# Allegro board KIT_PSE84_AI_PSOC_Edge_E84_AI_Board_Layout.brd (continued)
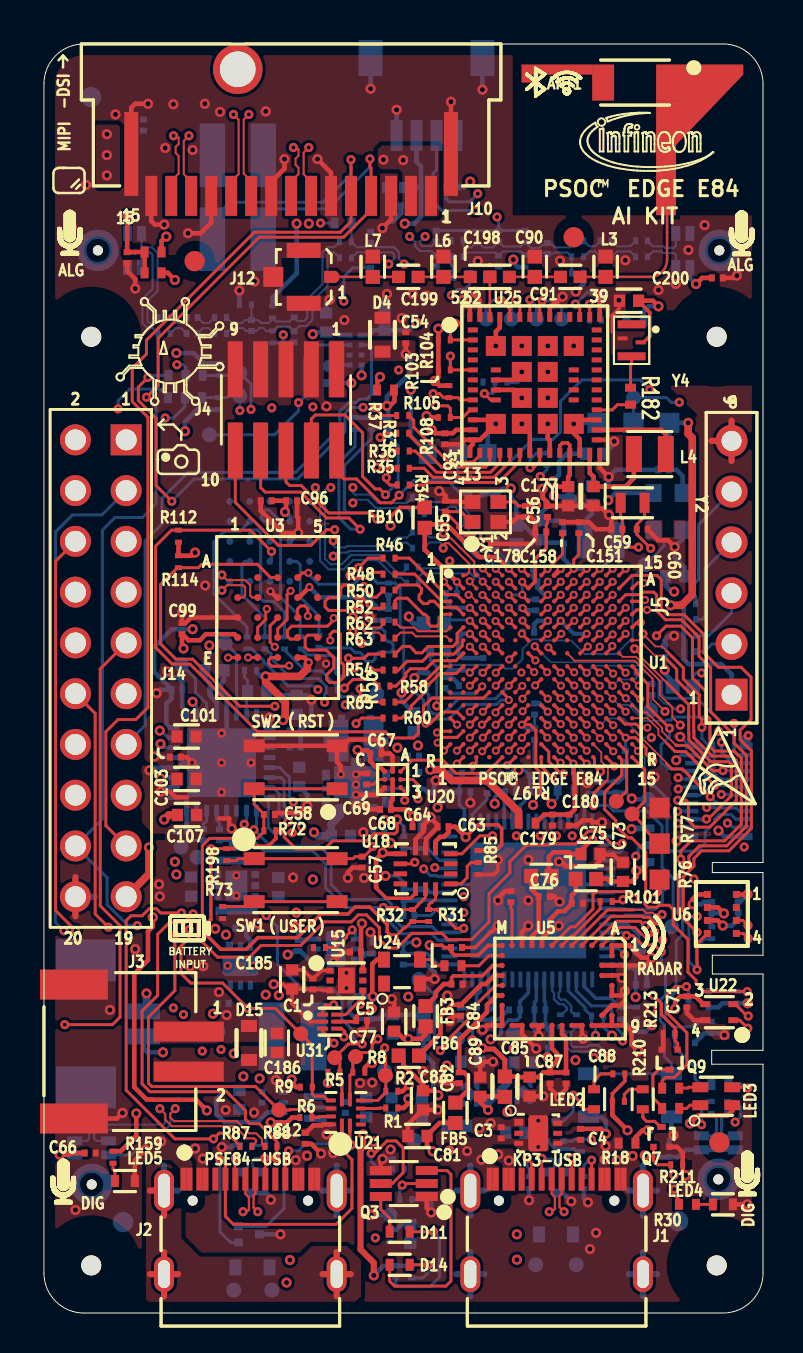
[diagram p0: board, top side]
## Routing (per net, layer and track width the routed paths; a pad name or vN(x,y) marks a point on that pad's centre or on a via; arc(x,y) is an arc through that point) (continued)
RF_OUT: length 2
  TOP w0.127: C198.1 U25.50
ROSC_IN_80MHZ: length 2.2
  TOP w0.15: U5.M2 22.28,17.89 21.77,17.37 R102.2
RSPI_CLK: length 18.4
  TOP w0.089: U1.L7 24.24,30.39 v1(23.96,30.11)
  TOP w0.102: 29.9,18.97 30.08,18.79 30.3,18.79 v2(30.57,19.06)
  TOP w0.15: 29.9,18.97 29.58,19.29 28.83,19.29 U5.B1
  L03_SIG1 w0.089: v2(24.84,23.88) 24.84,25.57 24.52,25.89 24.52,28.46 24.29,28.7 24.29,29.78 v1(23.96,30.11)
  L05_PWR w0.102: v2(24.84,23.88) 25.78,22.94 25.93,22.94 26.14,22.73 26.14,22.58 28.95,19.77 30.27,19.77 30.49,19.55 30.49,19.55 30.57,19.47 v2(30.57,19.06)
RSPI_CS: length 27.1
  TOP w0.089: U1.C3 21.33,35.92 21.31,35.92 21.29,35.94 v1(21.26,35.94)
  TOP w0.15: v2(29.54,20.75) 29.54,20.77 29.23,21.08 27.63,21.08 27.48,20.93 27.48,20.22 26.59,19.33 26.37,19.33 U5.G1
  L03_SIG1 w0.089: 24.94,26.96 24.93,26.96 24.93,28.58 24.87,28.63 24.87,30.31 24.64,30.54 24.64,30.95 24.99,31.31 24.99,31.79 24.86,31.92 24.86,32.21 24.96,32.3 24.96,32.77 24.69,33.04 24.43,33.04 23.81,33.66 22.48,33.66 22.29,33.85 22.29,34.12 22.1,34.31 21.82,34.31 21.64,34.49 21.64,34.77 21.45,34.96 21.18,34.96 20.99,35.15 20.99,35.67 v1(21.26,35.94)
  L03_SIG1 w0.102: v2(26.44,23.88) 26.17,24.15 26.17,25.54 25.68,26.04 25.18,26.04 24.94,26.28 24.94,26.68 24.94,26.96
  L05_PWR w0.102: v2(26.44,23.88) 29.27,21.05 29.27,21.02 v2(29.54,20.75)
RSPI_IRQ: length 15.9
  TOP w0.089: v1(27.83,28.75) 27.83,28.78 U1.N12
  TOP w0.15: v2(30.11,19.39) 30.05,19.39 29.85,19.6 28.64,19.6 U5.C1
  L03_SIG1 w0.089: v1(27.83,28.75) 27.83,28.5 28.16,28.17 28.16,27.96 28.37,27.75 28.99,27.75 29.9,26.83 29.9,26.59
  L03_SIG1 w0.157: 29.9,26.59 30.53,25.97 30.53,23.88 30.74,23.67 30.74,21.69 31.3,21.13 31.3,19.79 31.09,19.58 30.3,19.58 30.11,19.39 v2(30.11,19.39)
RSPI_MISO: length 21.2
  TOP w0.089: v1(23.94,31.37) 23.91,31.37 U1.K6
  TOP w0.102: v2(30.94,19.94) 30.56,19.94 30.47,20.03 30.13,20.03 29.99,20.17 29.51,20.17
  TOP w0.15: U5.E1 28.21,20.17 29.51,20.17
  L03_SIG1 w0.089: v1(23.94,31.37) 24.28,31.03 24.28,30.31 24.48,30.11 24.48,28.77 24.71,28.54 24.71,25.99 25.03,25.67 25.03,24.5 v2(25.66,23.88)
  L05_PWR w0.089: v2(25.66,23.88) 25.92,23.61 25.92,23.6 26.06,23.46 26.06,23.09
  L05_PWR w0.102: 26.06,23.09 28.94,20.21 30.67,20.21 v2(30.94,19.94)
RSPI_MOSI: length 45
  TOP w0.089: U1.C5 v1(22.62,35.94)
  TOP w0.15: U5.D1 28.39,19.85 29.95,19.85 30.01,19.8 30.28,19.8 30.61,19.47 30.89,19.47 31.05,19.31 31.05,19.14 30.98,19.06 v2(30.98,18.66)
  L03_SIG1 w0.089: v1(23.9,32.05) 23.9,33.1 23.6,33.41 23.15,33.41 22.75,33.01 22.48,33.01 22.29,33.2 22.29,33.47 22.1,33.66 21.84,33.66 21.64,33.85 21.64,34.12 21.45,34.31 20.68,34.31 19.13,35.85 19.13,37.61 19.43,37.91 20.08,37.91 20.16,37.99 20.76,37.99 21.83,36.92 22.1,36.92 22.29,36.73 22.29,36.45 22.62,36.13 v1(22.62,35.94)
  L04_SIG2 w0.089: 24.13,26.59 24.39,26.85 24.39,27.77 24.45,27.83 24.45,30.99 24.26,31.18 24.26,31.63 24.15,31.75 24.15,31.8 v1(23.9,32.05)
  L04_SIG2 w0.157: v2(21.02,20.04) 21.02,20.25 20.61,20.66 20.61,21 20.85,21.24 21.02,21.24 22.34,22.56 22.34,22.96 23.02,23.64 23.02,24.07 23.47,24.52 23.47,25.93 24.13,26.59
  L05_PWR w0.178: v2(21.02,20.04) 27.15,20.04 28.76,18.43 30.75,18.43 v2(30.98,18.66)
RXRES_L: length 9
  TOP w0.15: v2(28.98,20.68) 28.9,20.59 R101.1 ; U1.R12 27.56,27.75 27.56,27.38 27.84,27.1 v2(27.86,27.1)
  L03_SIG1 w0.102: v2(27.86,27.1) 28.21,26.76 28.21,26.3 29.35,25.16 29.35,24.8 29.77,24.38 29.77,24.03 29.41,23.67 29.41,23.24
  L03_SIG1 w0.157: 29.41,23.24 28.98,22.82 v2(28.98,20.68)
SERIAL_INT0: length 21.1
  TOP w0.15: U1.L14 v1(29.12,30.09)
  L04_SIG2 w0.089: 31.17,30.46 30.89,30.46 30.52,30.09 v1(29.12,30.09)
  L04_SIG2 w0.157: J5.5 32.91,39.59 32.91,32.99 32.25,32.34 32.25,31.54 31.17,30.46
  BOTTOM w0.15: R192.1 32.62,35.84 32.53,35.93 32.53,36.47 32.77,36.71 32.77,39.45 J5.5
SERIAL_INT1: length 18.9
  TOP w0.15: U1.M13 v1(28.49,29.41)
  L04_SIG2 w0.089: v1(28.49,29.41) 29.46,29.41
  L04_SIG2 w0.157: J5.4 33.17,37.31 33.17,32.89 32.51,32.23 32.51,29.93 32.35,29.77 31.37,29.77 31.26,29.66 30.05,29.66 29.8,29.41 29.46,29.41
  BOTTOM w0.15: R193.1 32.92,34.69 33.1,34.86 33.1,37.24 J5.4
SERIAL_INT2: length 15.6
  TOP w0.15: v1(30.2,29.29) 29.82,29.29 29.64,29.47 29.09,29.47 U1.M14
  L04_SIG2 w0.089: v1(30.2,29.29) 30.78,29.29 31.17,28.9
  L04_SIG2 w0.157: 31.17,28.9 31.62,28.45 32.01,28.45 32.41,28.85 32.41,29.39 32.89,29.87 32.89,31.49 33.43,32.02 33.43,35.03 J5.3
  BOTTOM w0.15: R194.1 33.27,33.89 34.42,35.04 J5.3
SERIAL_INT3: length 14
  TOP w0.15: U1.N13 28.47,28.79 v1(28.49,28.79)
  L04_SIG2 w0.089: v1(28.49,28.79) 28.83,28.45 29.91,28.45 30.24,28.12 31.17,28.12
  L04_SIG2 w0.157: 31.17,28.12 32.26,28.12 33.29,29.15 33.29,29.33 33.85,29.89 34.7,29.89 35.36,30.55 35.36,32.54 J5.2
  BOTTOM w0.15: J5.2 33.44,33.48 33.05,33.09 R195.1
SMIF0_CLKP: length 4.5
  BOTTOM w0.15: U4.B2 12.66,37.61 12.83,37.44 12.83,35.82 13.77,34.88 R61.1
SMIF0_CS: length 32.3
  TOP w0.15: U1.K4 22,30.77 19.43,30.77 19,30.34 19,29.9 18.74,29.64 18.74,29 18.51,28.77 17.4,28.77 17.09,29.08 10.69,29.08 7.31,32.46 6.5,32.46 6.48,32.49 6.4,32.49 5.59,33.3 5.59,38.38 6.38,39.17 R112.1 10.33,39.17 v2(11.39,38.11)
  BOTTOM w0.15: U4.C2 11.39,37.69 v2(11.39,38.11)
SMIF0_DATA0: length 7.1
  BOTTOM w0.15: U4.D3 10.3,39.03 10.45,39.18 10.7,39.18 10.85,39.03 10.85,35.76 11,35.61 11.51,35.61 12.04,35.08 R45.1
SMIF0_DATA1: length 4.6
  BOTTOM w0.15: R47.1 11.06,34.79 9.91,35.94 9.91,37.46 10.06,37.61 U4.D2
SMIF0_DATA2: length 8.2
  BOTTOM w0.15: R49.1 12.83,33.88 12.83,34.82 11.84,35.82 11.84,39.6 11.26,40.18 11.05,40.18 10.9,40.03 10.9,39.76 11.05,39.61 U4.C4
SMIF0_DATA3: length 7.7
  BOTTOM w0.15: R51.1 10.16,34.33 8.5,35.99 8.5,38.57 9.04,39.12 9.81,39.12 U4.D4
SMIF1_CLKN: length 12.8
  TOP w0.102: U3.B1 9.97,35.8 10.07,35.9 10.07,36.32 9.97,36.42 9.16,36.42 v2(8.91,36.16) ; R63.2 16.97,33.82 16.75,34.04 16.12,34.04 15.83,34.34 15.72,34.34 v2(15.47,34.08)
  L03_SIG1 w0.102: v2(15.47,34.08) 15.47,34.23 15.36,34.33 15.08,34.33 14.78,34.03 13.31,34.03 13.13,33.85 12.83,33.85 12.65,34.03 12.15,34.03 11.96,33.85 11.66,33.85 11.48,34.03 11.17,34.03 10.39,34.81 10.13,34.81 9.92,35.02 9.92,35.28 9.7,35.49 9.7,36.03 9.33,36.4 9.01,36.4 8.91,36.3 v2(8.91,36.16)
SMIF1_CLKP: length 12.8
  TOP w0.102: v2(8.91,36.93) 9.16,36.67 10.07,36.67 10.33,36.42 10.33,35.9 10.43,35.8 U3.B2 ; R62.2 16.97,34.45 16.82,34.3 16.23,34.3 15.93,34.6 15.72,34.6 v2(15.47,34.85)
  L03_SIG1 w0.102: v2(15.47,34.85) 15.47,34.71 15.36,34.61 14.96,34.61 14.66,34.31 11.28,34.31 9.98,35.61 9.98,36.15 9.44,36.69 9.01,36.69 8.91,36.79 v2(8.91,36.93)
SMIF1_CS: length 32.3
  TOP w0.15: U1.C4 21.98,35.92 v1(21.95,35.92) ; U3.A3 11.35,36.8 10.68,37.46 7.9,37.46 7.73,37.29 R114.1 6.68,37.29 5.84,36.45 5.84,33.48 6.6,32.72 7.44,32.72 9.8,30.36 v2(11.56,30.36)
  L04_SIG2 w0.089: 20.76,36.21 20.84,36.29 21.45,36.29 21.64,36.48 21.64,36.83 21.73,36.92 22.1,36.92 22.29,36.73 22.29,36.25 22.2,36.17 22.2,36.17 v1(21.95,35.92)
  L04_SIG2 w0.157: v2(11.56,30.36) 12.85,31.65 15.5,31.65 15.95,32.1 15.95,33.05 16.26,33.36 16.26,33.53 18.94,36.21 20.76,36.21
SMIF1_DATA0: length 11.5
  TOP w0.15: R46.2 16.23,37.77 v2(15.75,37.29) ; U3.D3 11.7,34.23 12.17,34.7 12.17,35.95 v1(12.35,36.13)
  L03_SIG1 w0.157: v2(15.75,37.29) 15.67,37.36 13.59,37.36 13.31,37.64 11.13,37.64 10.95,37.46 10.95,37.19 11.11,37.03 12.12,37.03 12.34,36.81 12.34,36.52 12.35,36.51 v1(12.35,36.13)
SMIF1_DATA1: length 12.6
  TOP w0.15: v1(11.16,35.23) 11.1,35.17 11.1,34.7 10.7,34.3 U3.D2 ; R48.2 16.88,37.06 16.38,37.06 16.11,36.78 15.45,36.78 v2(15.32,36.91)
  L03_SIG1 w0.157: v2(15.32,36.91) 14.48,36.91 14.41,36.84 14.33,36.84 13.87,36.38 13.87,36.3 13.49,35.92 12.69,35.92 12.5,35.73 12.17,35.73 11.69,36.21 11.69,36.26 11.32,36.64 10.89,36.64 10.29,37.24 10.06,37.24 9.87,37.04 9.87,36.82 10.38,36.31 10.38,36.1 11.16,35.33 v1(11.16,35.23)
SMIF1_DATA2: length 11.2
  TOP w0.15: R50.2 16.97,36.14 16.65,35.82 16.44,35.82 16.01,36.24 v2(16.01,36.35) ; U3.C4 12.7,35.23 12.85,35.38 13.06,35.38 13.21,35.23 v1(13.21,34.88)
  L03_SIG1 w0.157: v1(13.21,34.88) 12.83,34.88 12.7,34.75 11.81,34.75 11.65,34.91 11.65,35.13 11.81,35.29 13.07,35.29 13.29,35.51 13.7,35.51 13.92,35.29 14.23,35.29 14.49,35.55 14.49,35.77 14.27,35.99 14.27,36.22 14.49,36.44 14.72,36.44 15.3,35.86 15.85,35.86 16.01,36.02 v2(16.01,36.35)
SMIF1_DATA3: length 11.6
  TOP w0.15: R52.2 16.85,35.25 16.34,35.25 16.18,35.41 16.18,35.54 15.94,35.78 15.62,35.78 15.45,35.94 15.45,36.24 15.27,36.42 15.01,36.42 14.86,36.27 14.86,35.94 14.71,35.79 14.25,35.79 14.07,35.61 14.07,35.33 14.25,35.15 15.19,35.15 15.3,35.26 15.66,35.26 v2(15.77,35.37) ; v1(14.5,34.77) 14.5,34.67 14.2,34.37 12.4,34.37 12.18,34.15 12.18,33.87 12.33,33.72 12.62,33.72 U3.D4
  L03_SIG1 w0.157: v1(14.5,34.77) 14.5,35 14.97,35.46 15.68,35.46 v2(15.77,35.37)
SMIF1_DATA4: length 11.7
  TOP w0.15: R54.2 v2(16.31,32.17) ; U3.D5 13.58,33.92 13.21,33.92 13.08,33.78 13.08,33.32 13.23,33.17 14.12,33.17 14.5,32.79 14.5,32.28 14.15,31.93 14.15,31.7 14.3,31.55 14.74,31.55 15.01,31.82 15.01,32.42 14.84,32.6 14.84,33.96 14.69,34.11 14.48,34.11 14.33,33.96 v1(14.33,33.66)
  L03_SIG1 w0.157: v1(14.33,33.66) 15.17,33.66 16.02,32.81 16.02,32.46 v2(16.31,32.17)
SMIF1_DATA5: length 11.4
  TOP w0.15: v1(12.27,32.39) 12.24,32.36 11.4,32.36 11.25,32.51 11.25,32.69 11.36,32.8 U3.E3 ; v2(15.24,32.76) 15.25,32.76 16.02,32.76 16.23,32.97 R56.2
  L03_SIG1 w0.157: v2(15.24,32.76) 14.75,33.26 14.16,33.26 13.99,33.43 13.64,33.43 13.48,33.27 13.48,33.08 13.32,32.92 13.01,32.92 12.85,33.08 12.85,33.3 12.57,33.58 12.37,33.58 11.63,32.85 11.63,32.49 12.3,31.83 12.64,31.83 12.91,32.1 12.91,32.28 12.8,32.39 v1(12.27,32.39)
SMIF1_DATA6: length 11.6
  TOP w0.15: R58.2 16.72,31.42 16.44,31.7 15.47,31.7 v2(15.04,31.27) ; U3.E2 v1(10.22,32.8)
  L03_SIG1 w0.157: v1(10.22,32.8) 10.19,32.82 10.19,33.45 10.04,33.61 9.79,33.61 9.68,33.49 9.68,32.51 10.95,31.24 11.75,31.24 12.23,30.76 12.7,30.76 13.79,31.85 14.45,31.85 v2(15.04,31.27)
SMIF1_DATA7: length 11.3
  TOP w0.15: v2(15.62,29.49) 15.9,29.77 R60.2 ; v1(9.22,32.79) 9.27,32.79 9.27,32.79 9.69,32.79 U3.E1
  L03_SIG1 w0.157: v2(15.62,29.49) 15.33,29.2 14.39,29.2 13.98,29.61 13.98,29.74 13.82,29.9 13.48,29.9 13.33,29.74 13.33,29.47 13.17,29.31 12.91,29.31 12.69,29.53 12.69,30.2 12.53,30.36 12.06,30.36 11.58,30.84 10.78,30.84 9.22,32.41 v1(9.22,32.79)
SMIF1_RWDS: length 12.4
  TOP w0.15: v1(11.55,33.33) 11.32,33.56 11.32,34.38 11.7,34.76 U3.C3 ; v2(15.83,31.24) 15.83,30.91 16.17,30.57 R65.2
  L03_SIG1 w0.157: v2(15.83,31.24) 14.81,32.25 14.81,32.62 14.57,32.86 13.98,32.86 13.72,32.59 13.72,32.34 12.65,31.27 12.28,31.27 11.32,32.24 10.82,32.24 10.64,32.41 10.64,33.15 10.83,33.33 v1(11.55,33.33)
USB_DEV_EN: length 21.6
  TOP w0.15: Q3.5 17.44,6.48 17.98,7.02 17.98,8.25 17.62,8.61 17.17,8.61 16.54,7.98 v2(16.38,7.98) ; R219.1 14.64,18.29 15.14,18.79 15.14,18.88 v2(15.43,19.17) ; U31.4 14.9,14.23 15.05,14.08 15.05,13.87 15.02,13.83 v2(15.02,13.81)
  L03_SIG1 w0.157: v2(15.02,13.81) 15.02,15.56 14.76,15.83 14.76,17.2 15.43,17.87 v2(15.43,19.17)
  L04_SIG2 w0.157: v2(16.38,7.98) 16.09,8.27 16.06,8.27 15.59,8.74 15.59,9.68 14.78,10.49 14.78,13.17 15.02,13.41 v2(15.02,13.81)
  BOTTOM w0.15: U26.4 15.58,18.97 15.43,19.13 v2(15.43,19.17) ; v2(16.38,7.98) 16.38,7.58 16.78,7.18 17.12,7.18 17.15,7.21 R191.2
USB_HOST_EN: length 19.4
  TOP w0.15: Q3.2 18.01,6.48 v2(17.93,6.4) ; U31.3 13.95,14.07 v2(14.52,13.5) ; U15.4 15.96,15.58 v2(15.82,15.44) 15.61,15.44 15.1,14.93 U31.6
  L03_SIG1 w0.157: v2(14.52,13.5) 14.81,13.21 15.31,13.21 15.46,13.36 15.46,15.08 v2(15.82,15.44)
  L04_SIG2 w0.157: v2(15.82,15.44) 15.46,15.08 15.46,11.65 15.37,11.56 15.37,10.82 17.07,9.12 17.55,9.12 18.36,8.31 18.36,6.83 v2(17.93,6.4)
  BOTTOM w0.15: v2(17.93,6.4) 17.81,6.28 R173.2
USB_V_SENSE: length 3.4
  BOTTOM w0.178: U2.19 27.05,16.32 27.62,15.75 28.38,15.75 28.82,15.31 R25.2 R27.2
USER_BTN: length 16.3
  TOP w0.15: U1.P3 v1(21.32,28.14) ; v2(16.46,23.34) 16.46,23.27 16.02,22.84 C57.1 15.58,22.84 15.47,22.73 SW1.2 SW1.1 9.73,22.73 9.63,22.64 R198.2
  L03_SIG1 w0.089: v1(21.32,28.14) 21.07,27.89 21.07,27.06 20.6,26.59
  L03_SIG1 w0.157: v2(16.46,23.34) 17.14,24.02 19.54,24.02 20.37,24.85 20.37,25.99 20.6,26.23 20.6,26.59
USER_LED1: length 39.5
  TOP w0.15: Q7.G 30.51,7.61 30.71,7.42 R211.2 31.37,7.07 31.53,6.91 v2(31.54,6.91) ; U1.C14 29.12,35.94 29.83,35.94 29.96,36.07 30.52,36.07 30.66,35.93 30.66,35.14 31.12,34.69 31.91,34.69 32.79,33.81 32.79,32.86 33.37,32.28 33.37,30.08 34.54,28.91 34.54,28.53 35.16,27.91 35.16,24.36 34.18,23.38 32.81,23.38 32.28,22.85 32.28,22.47 31.75,21.93 31.75,19.99 v2(32.69,19.05)
  L04_SIG2 w0.157: v2(32.69,19.05) 32.26,18.62 32.26,17.04 32.74,16.56 32.74,14.17 31.14,12.57 31.14,7.31 v2(31.54,6.91)
USER_LED2: length 40.7
  TOP w0.15: U1.B14 29.44,36.91 30.69,36.91 30.9,36.69 30.9,35.24 31.2,34.94 32.04,34.94 33.04,33.94 33.04,33.02 33.76,32.31 34.9,32.31 35.4,31.81 35.4,29.71 34.85,29.16 34.85,28.69 35.41,28.13 35.41,24.25 34.28,23.12 32.92,23.12 32.53,22.74 32.53,22.36 32,21.83 32,20.13 32.29,19.84 v2(32.7,19.84)
  L04_SIG2 w0.157: v2(27.4,8.68) 27.4,9.37 32.16,14.12 32.16,15.75 31.75,16.16 31.75,18.89 v2(32.7,19.84)
  BOTTOM w0.15: Q8.G 26.46,8.59 26.55,8.68 R212.2 v2(27.4,8.68)
USER_LED_RGB_B: length 20.5
  TOP w0.089: U1.P12 27.9,28.05 27.9,27.6 28.22,27.28 28.22,27.26 28.23,27.25 28.23,26.95 28.22,26.95 28.22,26.7 28.12,26.59
  TOP w0.15: v2(27.51,25.4) 27.51,25.99 28.12,26.59
  BOTTOM w0.15: R215.2 33.05,14.6 33.03,14.58 32.83,14.58 32.58,14.33 Q11.G 31.5,14.32 31.11,14.71 31.11,15.57 31.65,16.1 31.65,18.62 31.97,18.94 31.97,19.79 31.5,20.27 31.5,21.74 30.94,22.3 30.94,24.38 30.2,25.12 28.52,25.12 28.24,25.4 v2(27.51,25.4)
USER_LED_RGB_G: length 19.2
  TOP w0.15: U1.R14 28.92,27.69 28.92,26.91 28.07,26.06 28.07,25.2 28.63,24.64 28.63,24.39 29.23,23.78 29.41,23.78 30.12,23.07 30.12,20.95 30.08,20.91 30.08,20.45 30.23,20.3 30.69,20.3 30.79,20.4 31.29,20.4 31.5,20.19 31.5,19.43 32.23,18.7 32.23,17.06 32.64,16.65 32.64,16.51 33.07,16.08 v2(35.2,16.08)
  BOTTOM w0.15: Q10.G 33.72,16.1 33.72,16.1 R214.2 35.18,16.1 35.2,16.08 v2(35.2,16.08)
USER_LED_RGB_R: length 21.9
  TOP w0.15: U1.P13 v1(28.5,28.11) ; Q9.G 31.72,13.5 31.59,13.63 R213.2 31.59,14.26 30.92,14.93 30.92,15.49 v2(30.5,15.9)
  L03_SIG1 w0.157: v2(30.5,15.9) 31.5,16.9 31.5,19.3 31.95,19.76 31.95,21.13 v2(32.54,21.72)
  L04_SIG2 w0.089: 29.18,26.59 29.18,27.97 29.04,28.11 v1(28.5,28.11)
  L04_SIG2 w0.157: 29.18,26.59 29.18,26.14 28.93,25.88 28.93,24.64 28.43,24.14 28.43,22.07 29.05,21.44 29.73,21.44 30.06,21.78 31.66,21.78 31.72,21.72 v2(32.54,21.72)
USR_RGB_B: length 3.6
  BOTTOM w0.15: R165.2 33.03,11.43 33.02,11.44 32.85,11.44 32.59,11.71 32.59,12.3 31.58,13.3 Q11.D
USR_RGB_G: length 7.7
  TOP w0.15: R157.1 30.95,11.61 31.12,11.79 31.55,11.79 32.18,12.42 32.18,14.02 31.17,15.04 31.17,15.9 31.6,16.33 v2(32.16,16.33)
  BOTTOM w0.15: v2(32.16,16.33) 32.16,16.25 32.27,16.15 Q10.D
USR_RGB_R: length 2.8
  TOP w0.15: R156.1 30.95,10.31 30.48,10.78 30.48,11.89 30.76,12.18 Q9.D
VTARG_MEAS: length 2.3
  BOTTOM w0.178: R23.2 R24.2 21.65,15.91 21.85,16.1 U2.32
WCO_IN: length 14.9
  TOP w0.15: U1.H8 25.19,32.07 v1(25.19,32.06) ; v2(30.37,38.26) 29.67,38.96 C60.2 29.67,39.45 30.07,39.85 Y2.1
  L04_SIG2 w0.089: v2(30.37,38.26) 30.76,37.87 30.76,34.79 30.99,34.56 30.99,33.73 29.84,32.59 26.49,32.59 26.19,32.29 26.19,31.9 26,31.71 25.56,31.71 25.46,31.81 25.44,31.81 v1(25.19,32.06)
WCO_OUT: length 14.8
  TOP w0.15: U1.G7 v1(24.6,32.65) ; v2(29.76,38.32) 29.32,38.32 28.95,38.68 C59.2 28.95,39.77 28.87,39.86 Y2.2
  L04_SIG2 w0.089: v1(24.6,32.65) 24.95,32.65 25.06,32.77 29.72,32.77 30.33,33.38 30.33,34.57 30.58,34.82 30.58,37.5 v2(29.76,38.32)
WL_BT_DEV_WAKE: length 23
  TOP w0.15: v2(20.34,47.88) R103.2 U25.5 ; v1(29.87,34.55) 29.85,34.57 29.7,34.57 U1.E15
  L04_SIG2 w0.089: v1(29.87,34.55) 29.87,35.05 29.67,35.26 29.67,37.19 29.01,37.84 28.81,37.84 27.76,38.89 27.76,39.29
  L04_SIG2 w0.157: 27.76,39.29 27.76,45.95 26.14,47.58 20.64,47.58 v2(20.34,47.88)
WL_HOST_WAKE: length 23.2
  TOP w0.15: v2(20.6,49.51) 20.34,49.26 R104.2 U25.2 ; U1.F13 28.44,33.95 v1(28.47,33.95)
  L03_SIG1 w0.089: 26.9,39.24 26.9,37.42 26.84,37.37 26.84,37.1 27.03,36.91 27.33,36.91 27.49,36.75 27.49,35.15 27.68,34.96 27.95,34.96 28.14,34.77 28.14,34.28 v1(28.47,33.95)
  L03_SIG1 w0.102: 26.9,39.24 26.9,39.45
  L03_SIG1 w0.157: v2(20.6,49.51) 22.39,49.51 23.19,48.72 23.19,44.3 23.65,43.84 24.41,43.84 26.9,41.35 26.9,39.45
WL_REG_ON: length 23.4
  TOP w0.15: U1.F14 v1(29.12,33.99) ; U25.9 21.34,45.19 20.96,44.81 R108.2 20.34,45.26 20.21,45.39 v2(19.61,45.39)
  L04_SIG2 w0.089: 27.1,39.29 27.1,38.82 28.14,37.77 28.14,37.1 28.33,36.91 28.6,36.91 28.79,36.72 28.79,35.8 28.6,35.61 28.33,35.61 28.14,35.42 28.14,34.5 28.33,34.31 28.79,34.31 v1(29.12,33.99)
  L04_SIG2 w0.157: v2(19.61,45.39) 20.25,45.39 20.27,45.37 26.36,45.37 27.1,44.62 27.1,39.29
WL_SDIO_CLK: length 2.4
  TOP w0.15: U25.20 24.82,42.61 24.5,42.29 v2(24.33,42.29)
  BOTTOM w0.15: R38.2 24.66,43.02 24.33,42.7 v2(24.33,42.29)
WL_SDIO_CMD: length 5.4
  TOP w0.15: U25.15 22.32,42.54 22.1,42.32 19.91,42.32 18.26,43.97 R33.2
WL_SDIO_DATA0: length 5
  TOP w0.15: R37.2 18.51,44.66 18.51,44.32 20.26,42.57 21.48,42.57 21.82,42.91 U25.14
WL_SDIO_DATA1: length 5.7
  TOP w0.15: U25.16 22.82,42.53 22.35,42.07 19.65,42.07 18.59,43.13 R36.2
WL_SDIO_DATA2: length 6
  TOP w0.15: U25.17 23.32,42.61 22.52,41.81 19.48,41.81 19.02,42.27 R35.2
WL_SDIO_DATA3: length 6.5
  TOP w0.15: R34.2 19.08,41.43 19.2,41.56 22.77,41.56 23.82,42.61 U25.18
N17461053: length 8.7
  TOP w0.15: v2(19.84,13.13) 20.13,13.42 20.13,13.58 21.56,15.01 21.56,15.36 22.6,16.39 U5.M5
  BOTTOM w0.15: TP21.1 19.55,15.91 19.55,13.42 v2(19.84,13.13)
N17461288: length 2.2
  TOP w0.15: U5.L1 23.43,20.17 23.37,20.23 C72.2
N17462113: length 8.1
  TOP w0.229: U24.4 16.66,17.68 16.43,17.45 16.43,16.02 16.46,15.99 v3(16.46,15.84)
  BOTTOM w0.229: FB4.2 18.43,14.95 18.4,14.92 C79.1 17.01,14.92 16.8,14.72 C80.1 15.61,14.72 15.3,15.03 15.3,15.55 15.64,15.89 16.01,15.89 16.06,15.84 v3(16.46,15.84)
N17462137: length 1.4
  TOP w0.15: U24.3 19.36,17.68 19.67,17.37 R102.1
N17489317: length 5.8
  TOP w0.15: SW1.4 SW1.3 10.28,20.34 R73.2
N17506591: length 2.1
  TOP w0.15: U18.1 20.88,21.48 21.18,21.78 21.18,22.35 21.38,22.54 R85.1
N17580471: length 1.7
  BOTTOM w0.15: C43.1 22.18,25.68 21.45,24.95 U2.53
N17581080: length 1.9
  BOTTOM w0.15: U2.42 19.72,20.24 19.36,19.89 C52.1
N17581130: length 2.4
  BOTTOM w0.114: U2.22 25.85,16.11 25.76,16.02 25.76,15.8 25.87,15.69 26.08,15.69 26.39,15.37 26.39,15.09 26.55,14.93 R26.2
N17581131: length 2.4
  BOTTOM w0.114: U2.23 25.45,16.11 25.53,16.02 25.53,15.71 25.78,15.46 25.99,15.46 26.16,15.28 26.16,15.16 25.93,14.93 R28.2
N17581135: length 1.6
  BOTTOM w0.15: C53.1 22.47,15.57 22.25,15.79 U2.31
N17604769: length 3
  TOP w0.15: R101.2 27.84,20.23 26.49,18.87 26.41,18.87 U5.F1
N17606878: length 0.8
  TOP w0.15: R30.1 LED4.A
N17691977: length 5.2
  TOP w0.229: U25.25 27.32,42.03 27.51,41.84 C92.1 28.49,41.35 28.5,41.35 29.11,41.35 29.53,41.77 L4.1
N17691999: length 4.5
  TOP w0.229: L4.2 31.13,43.96 30.9,44.19 U25.28
N17694386: length 23.1
  L03_SIG1 w0.254: v3(5.96,13.04) 5.61,13.39 5.61,18.71 6.34,19.43 6.34,19.43 6.38,19.47 6.38,20.13 7.66,21.42 7.66,26.65 v3(5.84,28.47) 7.44,30.08 v3(7.44,30.58)
  BOTTOM w0.15: U28.26 7.64,30.38 v3(7.44,30.58) ; v3(5.84,28.47) 5.84,28.43 5.99,28.28 U28.22
  BOTTOM w0.229: J8.1 5,13.23 5.18,13.04 v3(5.96,13.04)
N17694402: length 17.5
  L03_SIG1 w0.254: v3(5.84,26.75) 7.2,25.38 7.2,21.61 5.92,20.32 5.92,19.66 5.88,19.62 5.88,19.62 5.13,18.87 v3(5.13,15.99)
  L04_SIG2 w0.381: v3(5.8,29.14) 5.87,29.14 6.33,28.68 6.33,27.24 v3(5.84,26.75)
  BOTTOM w0.15: U28.23 6.22,28.78 5.86,29.14 v3(5.8,29.14) ; U28.19 5.88,26.78 5.84,26.75 v3(5.84,26.75)
  BOTTOM w0.381: v3(5.13,15.99) 5.13,15.23 J8.2
N17694449: length 2.3
  BOTTOM w0.15: R123.1 10.04,31.81 10.19,31.66 C100.1 10.19,30.88 10.14,30.84 U28.31
N17694464: length 3
  BOTTOM w0.15: TP22.1 7.59,31.73 7.59,31.04 8.14,30.49 U28.27
N17694501: length 3.8
  BOTTOM w0.15: U28.30 9.64,32.96 TP23.1
N17694590: length 0.9
  BOTTOM w0.15: TP24.1 9.43,23.5 9.28,23.65 C105.1
N17694592: length 1
  BOTTOM w0.15: C105.2 8.79,24.51 8.64,24.66 U28.13
N17694611: length 1
  BOTTOM w0.15: U28.14 8.14,24.63 7.98,24.46 7.98,24.21 C106.2
N17694617: length 1.3
  BOTTOM w0.15: TP25.1 7.19,23.65 C106.1
N17695662: length 10.2
  BOTTOM w0.102: C119.1 R126.2 ; C119.1 10.71,49.69 10.86,49.54 11.25,49.54 11.45,49.74 R125.2 11.63,49.61 12.29,49.61 12.5,49.81 C115.1 12.7,49.63 13.02,49.63 13.18,49.8 13.18,50.72 13.94,51.49 13.94,53.08 14.19,53.33 14.52,53.33 R128.1 ; C119.1 10.06,49.69 9.9,49.53 9.42,49.53 R127.2
N17695725: length 1.1
  BOTTOM w0.102: C117.2 7.96,49.54 8.26,49.54 R127.1
N17695747: length 5.9
  BOTTOM w0.102: U10.1 4.88,53.42 4.98,53.32 5.42,53.32 5.69,53.04 5.69,51.13 5.18,50.62 5.18,49.64 5.28,49.54 5.44,49.54 R129.1
N17695749: length 1
  BOTTOM w0.102: C117.1 6.86,49.54 6.59,49.54 R129.2
N17695799: length 5.9
  BOTTOM w0.102: U10.3 4.88,52.94 5,53.06 5.31,53.06 5.44,52.94 5.44,51.24 4.93,50.73 4.93,49.53 5.18,49.28 5.44,49.28 R130.1
N17695801: length 1
  BOTTOM w0.102: C120.1 6.87,49.28 6.58,49.28 R130.2
N17695803: length 1.1
  BOTTOM w0.102: R131.1 8.26,49.28 7.96,49.28 C120.2
N17695815: length 9.4
  BOTTOM w0.102: R132.1 14.52,53.07 14.3,53.07 14.2,52.97 14.2,51.38 13.44,50.62 13.44,49.69 13.12,49.38 12.78,49.38 C122.2 12.29,49.35 11.68,49.35 11.47,49.14 R133.1 11.12,49.14 10.98,49.28 10.77,49.28 10.62,49.14 C119.2 10.11,49.14 9.97,49.27 9.4,49.27 R131.2
N17695981: length 6.8
  BOTTOM w0.102: R137.1 21.18,53.06 22.6,53.06 C123.1 22.97,53.11 23.9,53.11 R134.2 24.19,53.04 25.15,53.04 C127.1 25.45,52.99 25.53,53.06 26.2,53.06 R136.2 R135.2
N17696044: length 1.1
  BOTTOM w0.102: R136.1 27.29,53.12 27.59,53.12 C125.2
N17696066: length 2.2
  BOTTOM w0.102: U9.1 31.63,52.94 31.53,53.04 30.99,53.04 30.91,53.12 30.49,53.12 R138.1
N17696068: length 1.4
  BOTTOM w0.102: R138.2 29.34,53.12 28.69,53.12 C125.1
N17696118: length 2.2
  BOTTOM w0.102: R139.1 30.49,53.37 31.01,53.37 31.09,53.29 31.53,53.29 31.63,53.4 U9.3
N17696120: length 1.4
  BOTTOM w0.102: C128.1 28.69,53.37 29.34,53.37 R139.2
N17696122: length 1.1
  BOTTOM w0.102: C128.2 27.59,53.37 27.29,53.37 R140.1
N17696134: length 6.7
  BOTTOM w0.102: R141.1 20.98,53.42 21.08,53.32 21.38,53.32 21.54,53.47 21.84,53.47 21.99,53.32 22.47,53.32 C130.2 23,53.37 23.87,53.37 R142.1 24.37,53.29 24.81,53.29 24.95,53.44 25.1,53.44 C127.2 25.36,53.54 25.58,53.32 26.31,53.32 26.42,53.42 R140.2
N17699019: length 21.4
  TOP w0.15: U1.P10 v1(26.52,28.14) ; U1.A7 v1(23.92,37.24) ; U1.G4 v1(21.97,33.34) ; U1.F7 v1(23.92,33.99) ; U1.B8 v1(25.22,36.59)
  L05_PWR w0.089: v1(21.97,33.34) 22.29,33.66 22.75,33.66 23.6,33.66 v1(23.92,33.99) 24.27,33.99 24.82,34.53 24.82,36.18 v1(25.22,36.59) 25.54,36.26 25.54,35.76 25.72,35.58 25.99,35.58 26.18,35.39 26.18,34.88 26.22,34.84 26.22,33.82 25.54,33.14 25.54,31.25 25.35,31.06 25.08,31.06 24.89,30.87 24.89,30.6 25.09,30.41 25.35,30.41 25.54,30.22 25.54,29.95 25.54,29.33 25.77,29.11 25.88,29.11 25.88,29.11 26,29.11 26.19,28.92 26.19,28.46 v1(26.52,28.14)
  L05_PWR w0.157: v1(25.22,36.59) 24.57,37.24 v1(23.92,37.24)
  BOTTOM w0.15: v1(23.92,37.24) 23.65,37.51 FB8.2
N17699233: length 17.3
  L03_SIG1 w0.157: v2(35.05,23.32) 35.05,28.41 32.92,30.54 v2(32.92,32.02)
  L04_SIG2 w0.157: v2(29.62,22.86) 30.03,22.86 30.11,22.94 30.4,22.94 30.66,23.19 32.66,23.19 32.79,23.32 v2(35.05,23.32)
  BOTTOM w0.15: v2(29.62,22.86) 29.62,22.86 29.68,22.92 29.68,22.98 29.74,23.04 29.74,23.25 29.89,23.4 R226.2 ; v2(32.92,32.02) 32.64,32.02 32.49,31.87 FB9.1
N17699382: length 2.3
  TOP w0.15: U1.A12 v1(27.82,37.24)
  BOTTOM w0.15: v1(27.82,37.24) 27.86,37.24 28.67,38.04 L5.1
N17699478: length 7.5
  TOP w0.15: v3(25.41,25.48) 24.84,26.05 24.84,27.06 24.62,27.28 24.62,29.15 24.34,29.44 v1(23.92,29.44) U1.M7
  BOTTOM w0.15: R154.1 25.71,25.78 v3(25.41,25.48) ; v1(23.92,29.44) 24.12,29.23 C154.1 C153.1
N17699488: length 2.7
  TOP w0.15: v1(29.13,30.76) 29.09,30.76 U1.K14
  BOTTOM w0.089: C155.1 30.38,30.87 TP46.1 29.78,30.15 29.17,30.76 v1(29.13,30.76)
N17701248: length 33.3
  TOP w0.15: C158.1 25.96,37.98 v1(25.21,37.23) U1.A8 ; U1.K3 v1(21.94,31.35) ; U1.F12 v1(27.82,33.99)
  L04_SIG2 w0.089: v1(25.21,37.23) 25.58,37.59 26.62,37.59 26.84,37.37 26.84,35.26 26.84,35.26 26.84,35.15 27.04,34.96 27.3,34.96 27.49,34.77 27.49,34.31 v1(27.82,33.99)
  L05_PWR w0.089: 31.17,31.52 30.91,31.52 30.17,30.78 30.17,30.4 29.49,29.72 29.49,28.64 28.63,27.78 27.95,27.78 26.76,26.59 26.74,26.59 ; v1(21.94,31.35) 22.94,30.35 22.94,29.95 23.13,29.76 24.05,29.76 24.05,29.76 24.24,29.57 24.24,29.57 24.85,28.96 24.85,26.79 25.01,26.63 ; v1(27.82,33.99) 28.12,34.29 28.62,34.29 28.79,34.12 28.79,33.55 29.44,32.89 31.17,32.89